# KiCad board insequor58TOPMOUNT.kicad_pcb (continued)
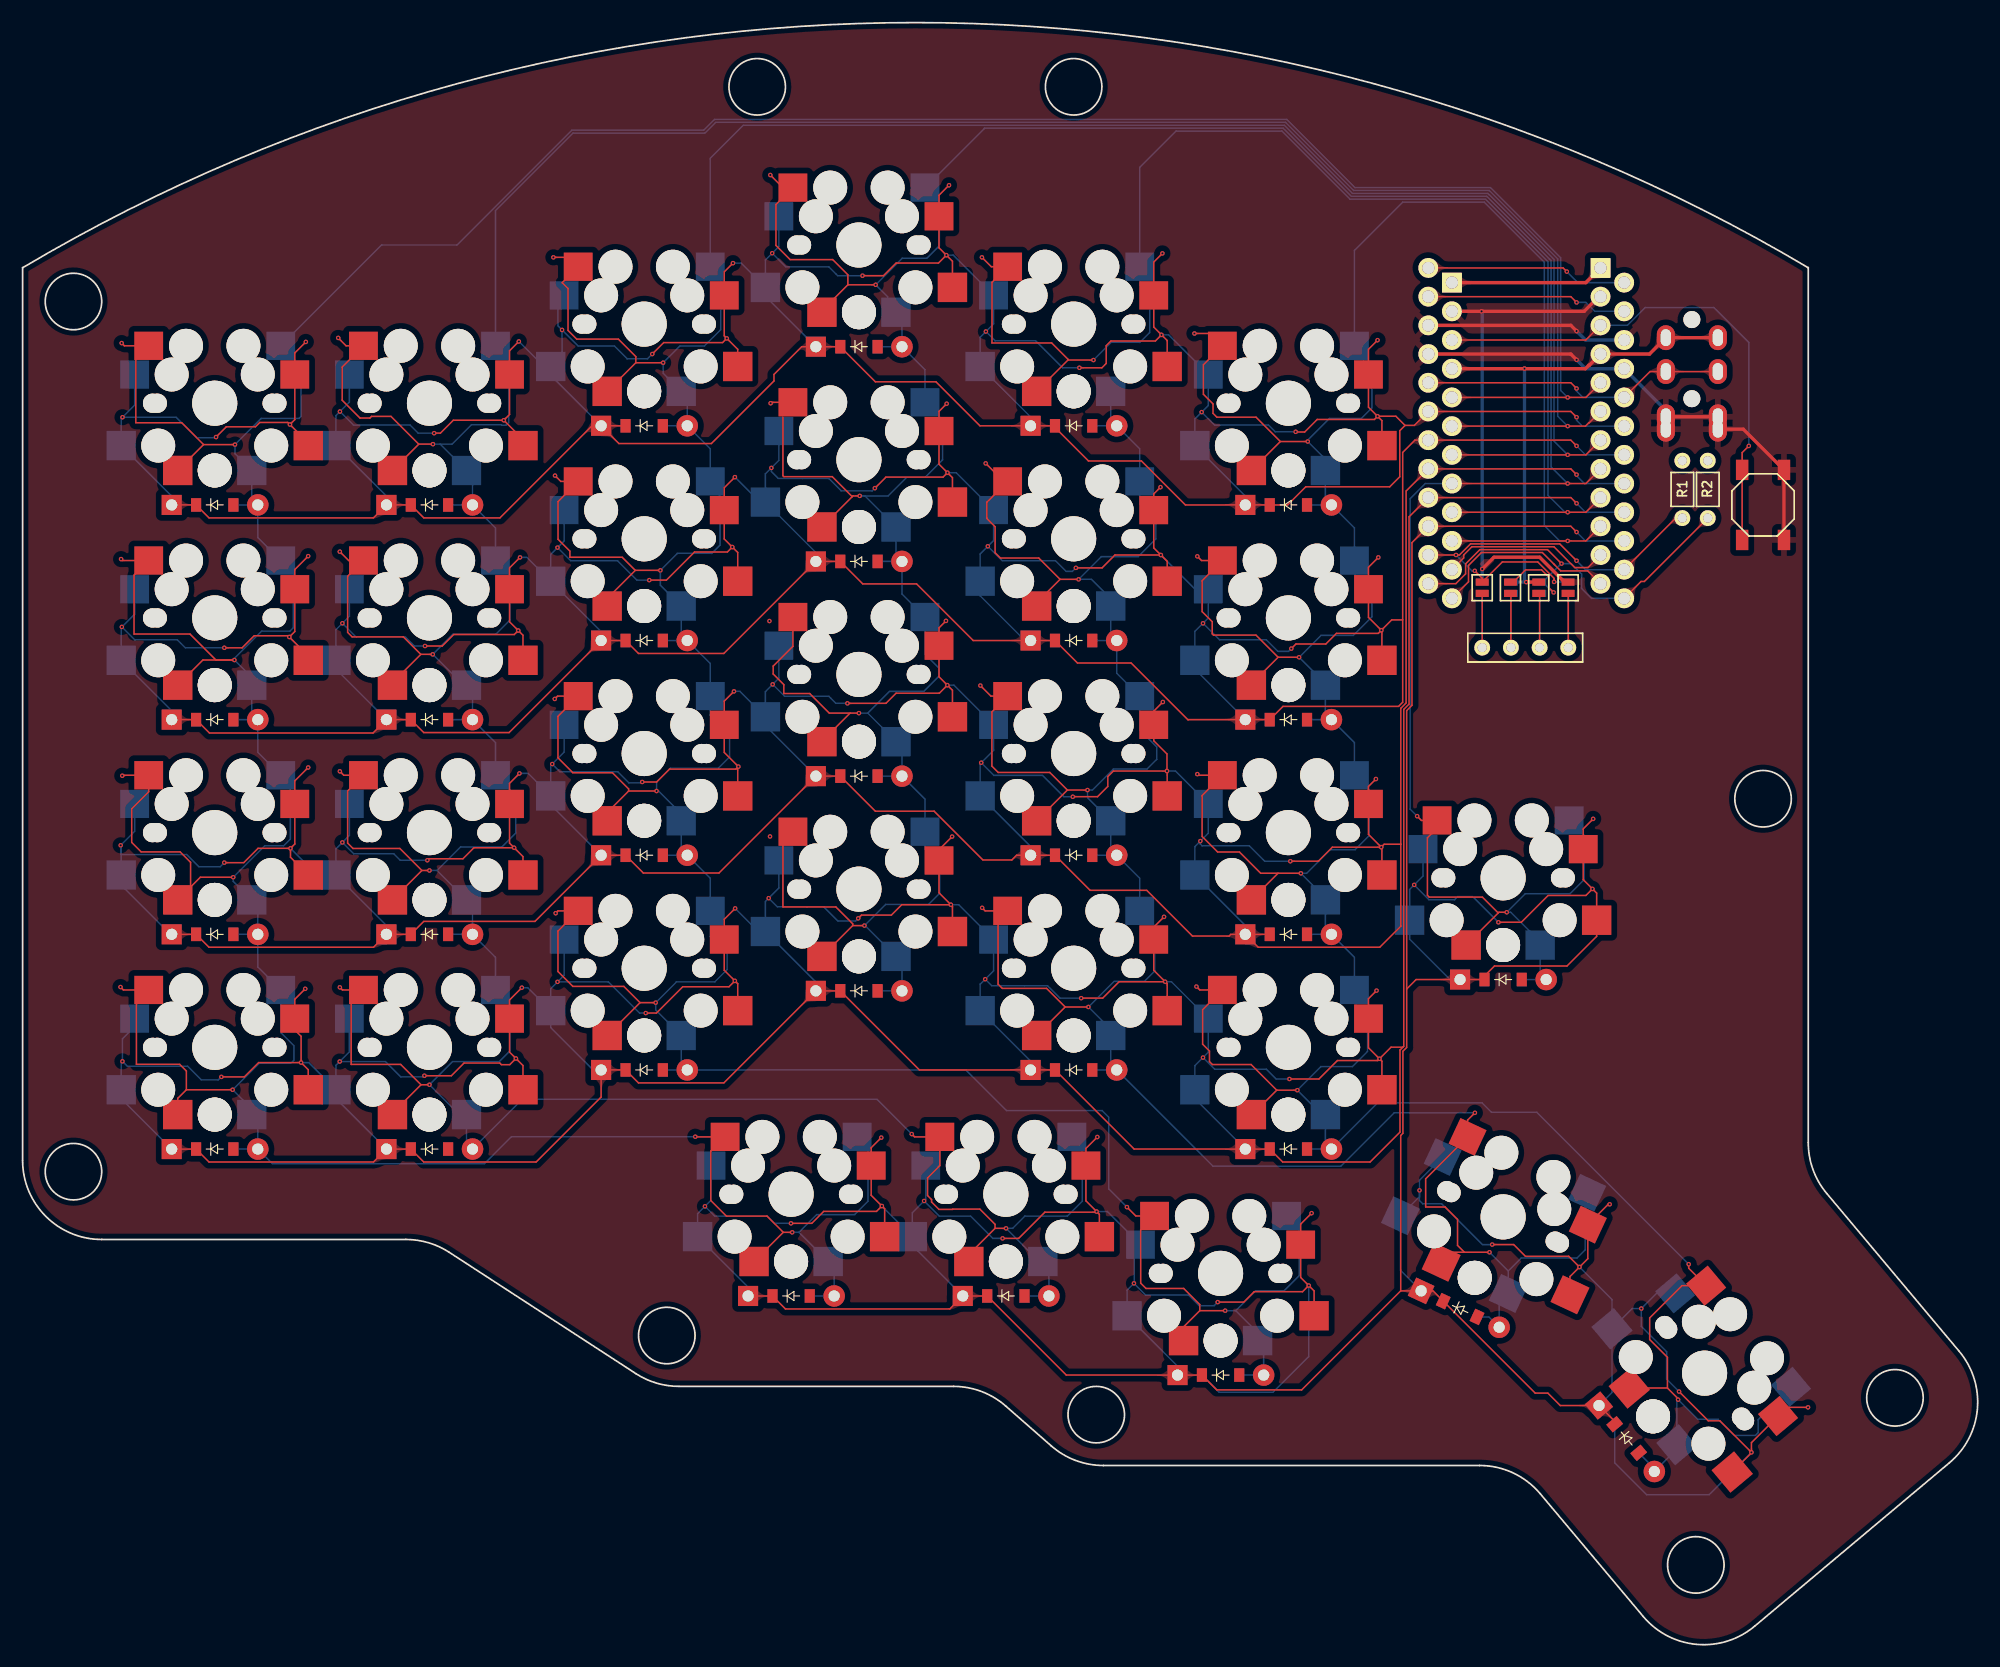
[diagram p0: board, top side]
## Copper pours and planes (outline as drawn; the poured copper is in the pictures) (continued)
P7 on Top: 140.78,19.93 140.64,20.09 140.54,20.24 140.48,20.37 140.45,20.51 140.43,20.64 140.42,20.78 140.42,20.92 140.4,21.07 140.38,21.24 140.32,21.43 139.17,21.45 139.19,20.3 139.38,20.24 139.55,20.21 139.7,20.2 139.84,20.2 139.98,20.19 140.11,20.17 140.24,20.14 140.38,20.08 140.53,19.98 140.69,19.84
P7 on Bottom: 139.96,97.58 140.17,97.57 140.34,97.53 140.48,97.48 140.6,97.41 140.7,97.33 140.8,97.24 140.91,97.14 141.02,97.05 141.16,96.95 141.33,96.85 142.15,97.64 141.33,98.43 141.16,98.34 141.02,98.24 140.91,98.14 140.8,98.05 140.7,97.96 140.6,97.88 140.48,97.81 140.34,97.76 140.17,97.72 139.96,97.71
P7 on Bottom: 101.42,25.3 101.52,25.18 101.59,25.06 101.62,24.96 101.62,24.85 101.6,24.74 101.57,24.63 101.52,24.52 101.47,24.4 101.41,24.27 101.35,24.13 102.24,23.39 102.82,24.46 102.67,24.59 102.54,24.7 102.42,24.78 102.3,24.84 102.19,24.9 102.07,24.96 101.95,25.03 101.81,25.12 101.67,25.24 101.51,25.39
P7 on Bottom: 81.89,32.04 82.03,31.88 82.13,31.73 82.19,31.59 82.23,31.46 82.24,31.33 82.25,31.19 82.26,31.05 82.27,30.9 82.3,30.73 82.35,30.54 83.5,30.52 83.48,31.67 83.29,31.73 83.13,31.75 82.97,31.77 82.83,31.77 82.69,31.78 82.56,31.79 82.43,31.83 82.29,31.89 82.14,31.99 81.99,32.13
P7 on Bottom: 63.42,32.3 63.52,32.18 63.59,32.06 63.62,31.96 63.62,31.85 63.6,31.74 63.57,31.63 63.52,31.52 63.47,31.4 63.41,31.27 63.35,31.13 64.24,30.39 64.82,31.46 64.67,31.59 64.54,31.7 64.42,31.78 64.3,31.84 64.19,31.9 64.07,31.96 63.95,32.03 63.81,32.12 63.67,32.24 63.51,32.39
P7 on Bottom: 125.63,59.41 125.77,59.26 125.88,59.13 125.98,59.01 126.05,58.89 126.18,58.68 126.25,58.58 126.33,58.46 126.43,58.34 126.56,58.2 127.63,58.83 126.8,59.63 126.68,59.57 126.45,59.44 126.34,59.38 126.24,59.34 126.14,59.32 126.04,59.32 125.94,59.35 125.83,59.41 125.72,59.51
P7 on Bottom: 140.57,22.44 140.55,22.25 140.48,22.13 140.39,22.06 140.26,22.02 140.11,22.01 139.94,22.02 139.76,22.03 139.57,22.04 139.38,22.02 139.19,21.98 139.17,20.82 140.37,21.14 140.38,21.3 140.41,21.44 140.44,21.55 140.49,21.66 140.54,21.76 140.58,21.86 140.63,21.97 140.66,22.1 140.69,22.25 140.7,22.44
P7 on Bottom: 122.45,32.49 122.59,32.33 122.68,32.19 122.75,32.05 122.78,31.91 122.8,31.78 122.8,31.65 122.81,31.5 122.82,31.35 122.85,31.18 122.9,30.99 124.06,30.97 124.04,32.12 123.85,32.18 123.68,32.21 123.53,32.22 123.38,32.23 123.25,32.23 123.11,32.25 122.98,32.28 122.84,32.34 122.7,32.44 122.54,32.58
P8 on Top: 145.72,99.02 145.81,99.1 145.9,99.16 145.99,99.18 146.07,99.19 146.16,99.18 146.25,99.15 146.34,99.12 146.43,99.08 146.54,99.04 146.65,99 147.2,99.72 146.36,100.16 146.26,100.04 146.18,99.94 146.11,99.84 146.06,99.75 145.97,99.56 145.91,99.46 145.84,99.36 145.75,99.24 145.63,99.11
P8 on Top: 142.9,96.38 142.74,96.25 142.6,96.15 142.46,96.09 142.33,96.05 142.2,96.04 142.07,96.03 141.92,96.03 141.77,96.01 141.61,95.98 141.42,95.93 141.4,94.79 142.54,94.82 142.59,95 142.62,95.17 142.63,95.32 142.64,95.46 142.64,95.59 142.66,95.72 142.69,95.86 142.76,95.99 142.85,96.14 142.99,96.29
P8 on Top: 126.13,96.47 125.92,96.48 125.75,96.51 125.61,96.57 125.49,96.64 125.39,96.72 125.29,96.81 125.18,96.9 125.07,97 124.93,97.1 124.76,97.19 123.94,96.4 124.76,95.61 124.93,95.71 125.07,95.8 125.18,95.9 125.29,96 125.39,96.09 125.49,96.17 125.61,96.24 125.75,96.29 125.92,96.32 126.13,96.34
P8 on Bottom: 139.96,95.04 140.17,95.03 140.34,94.99 140.48,94.94 140.6,94.87 140.7,94.79 140.8,94.7 140.91,94.6 141.02,94.51 141.16,94.41 141.33,94.31 142.15,95.1 141.33,95.89 141.16,95.8 141.02,95.7 140.91,95.6 140.8,95.51 140.7,95.42 140.6,95.34 140.48,95.27 140.34,95.22 140.17,95.18 139.96,95.17
P9 on Top: 142.9,93.84 142.74,93.71 142.6,93.61 142.46,93.55 142.33,93.51 142.2,93.5 142.07,93.49 141.92,93.49 141.77,93.47 141.61,93.44 141.42,93.39 141.4,92.25 142.54,92.28 142.59,92.46 142.62,92.63 142.63,92.78 142.64,92.92 142.64,93.05 142.66,93.18 142.69,93.32 142.76,93.45 142.85,93.6 142.99,93.75
P9 on Top: 148.17,98.64 148.3,98.75 148.41,98.83 148.52,98.87 148.62,98.9 148.72,98.92 148.83,98.92 148.94,98.93 149.06,98.94 149.19,98.96 149.34,99.01 149.35,99.91 148.45,99.9 148.41,99.75 148.38,99.62 148.37,99.5 148.37,99.39 148.36,99.28 148.34,99.18 148.32,99.08 148.27,98.97 148.19,98.85 148.08,98.73
P9 on Top: 126.13,93.93 125.92,93.94 125.75,93.97 125.61,94.03 125.49,94.1 125.39,94.18 125.29,94.27 125.18,94.36 125.07,94.46 124.93,94.56 124.76,94.65 123.94,93.86 124.76,93.07 124.93,93.17 125.07,93.26 125.18,93.36 125.29,93.46 125.39,93.55 125.49,93.63 125.61,93.7 125.75,93.75 125.92,93.78 126.13,93.8
P9 on Bottom: 139.96,92.5 140.17,92.49 140.34,92.45 140.48,92.4 140.6,92.33 140.7,92.25 140.8,92.16 140.91,92.06 141.02,91.97 141.16,91.87 141.33,91.77 142.15,92.56 141.33,93.35 141.16,93.26 141.02,93.16 140.91,93.06 140.8,92.97 140.7,92.88 140.6,92.8 140.48,92.73 140.34,92.68 140.17,92.64 139.96,92.63
P10 on Top: 127.66,93.84 127.5,93.71 127.36,93.61 127.22,93.55 127.09,93.51 126.96,93.5 126.83,93.49 126.68,93.49 126.53,93.47 126.37,93.44 126.18,93.39 126.16,92.25 127.3,92.28 127.35,92.46 127.38,92.63 127.39,92.78 127.4,92.92 127.4,93.05 127.42,93.18 127.45,93.32 127.52,93.45 127.61,93.6 127.75,93.75
P10 on Top: 138.33,94.93 138.52,94.91 138.64,94.85 138.71,94.75 138.74,94.63 138.75,94.48 138.75,94.31 138.74,94.13 138.73,93.95 138.75,93.76 138.79,93.57 139.93,93.55 139.62,94.74 139.46,94.75 139.32,94.77 139.21,94.81 139.1,94.85 139,94.9 138.9,94.95 138.79,94.99 138.67,95.03 138.52,95.05 138.33,95.06
P14 on Top: 128.22,97.71 128.01,97.72 127.84,97.76 127.7,97.81 127.58,97.88 127.48,97.96 127.38,98.05 127.27,98.14 127.16,98.24 127.02,98.34 126.85,98.43 126.03,97.64 126.85,96.85 127.02,96.95 127.16,97.05 127.27,97.14 127.38,97.24 127.48,97.33 127.58,97.41 127.7,97.48 127.84,97.53 128.01,97.57 128.22,97.58
P14 on Top: 138.43,97.66 138.59,97.8 138.73,97.9 138.87,97.96 139,97.99 139.13,98.01 139.26,98.01 139.4,98.02 139.56,98.03 139.72,98.06 139.91,98.11 139.93,99.25 138.79,99.23 138.74,99.04 138.71,98.88 138.7,98.73 138.69,98.59 138.69,98.45 138.67,98.32 138.64,98.19 138.57,98.05 138.48,97.91 138.34,97.75
P14 on Bottom: 115.21,45.58 115.2,45.34 115.17,45.13 115.13,44.96 115.09,44.81 115.03,44.67 114.98,44.53 114.93,44.39 114.89,44.23 114.87,44.05 114.86,43.83 116.08,43.44 116.29,44.65 116.14,44.74 115.99,44.8 115.86,44.86 115.73,44.92 115.62,44.98 115.53,45.05 115.45,45.14 115.39,45.26 115.35,45.4 115.34,45.58
P14 on Bottom: 115.21,64.58 115.2,64.34 115.17,64.13 115.13,63.96 115.09,63.81 115.03,63.67 114.98,63.53 114.93,63.39 114.89,63.23 114.87,63.05 114.86,62.83 116.08,62.44 116.29,63.65 116.14,63.74 115.99,63.8 115.86,63.86 115.73,63.92 115.62,63.98 115.53,64.05 115.45,64.14 115.39,64.26 115.35,64.4 115.34,64.58
P14 on Bottom: 117.2,99.53 117.05,99.7 116.95,99.86 116.88,100.01 116.84,100.15 116.82,100.3 116.82,100.44 116.81,100.6 116.8,100.76 116.77,100.94 116.71,101.14 115.47,101.17 115.5,99.93 115.7,99.87 115.88,99.84 116.05,99.83 116.2,99.82 116.35,99.82 116.49,99.8 116.63,99.76 116.78,99.7 116.94,99.59 117.11,99.44
P14 on Bottom: 143.13,16.72 143.27,16.56 143.37,16.41 143.43,16.27 143.45,16.14 143.46,16 143.45,15.86 143.43,15.71 143.42,15.55 143.42,15.37 143.44,15.17 144.64,14.9 144.86,16.12 144.67,16.22 144.49,16.29 144.33,16.33 144.17,16.36 144.02,16.38 143.88,16.41 143.73,16.46 143.57,16.54 143.4,16.65 143.22,16.81
P14 on Bottom: 145.68,16.69 145.51,16.54 145.35,16.43 145.2,16.37 145.06,16.33 144.92,16.31 144.77,16.31 144.62,16.3 144.45,16.29 144.27,16.26 144.07,16.2 144.04,14.96 145.28,14.99 145.34,15.19 145.37,15.37 145.38,15.54 145.39,15.69 145.39,15.84 145.41,15.98 145.45,16.12 145.52,16.27 145.62,16.43 145.77,16.6
P14 on Bottom: 113.91,43.77 114.14,43.75 114.32,43.72 114.47,43.66 114.6,43.58 114.71,43.49 114.82,43.4 114.93,43.29 115.06,43.18 115.21,43.08 115.39,42.97 116.29,43.83 115.39,44.69 115.21,44.59 115.06,44.48 114.93,44.37 114.82,44.27 114.71,44.17 114.6,44.08 114.47,44.01 114.32,43.95 114.14,43.91 113.91,43.9
P14 on Bottom: 117.2,80.53 117.05,80.7 116.95,80.86 116.88,81.01 116.84,81.15 116.82,81.3 116.82,81.44 116.81,81.6 116.8,81.76 116.77,81.94 116.71,82.14 115.47,82.17 115.5,80.93 115.7,80.87 115.88,80.84 116.05,80.83 116.2,80.82 116.35,80.82 116.49,80.8 116.63,80.76 116.78,80.7 116.94,80.59 117.11,80.44
P14 on Bottom: 113.91,81.77 114.14,81.75 114.32,81.72 114.47,81.66 114.6,81.58 114.71,81.49 114.82,81.4 114.93,81.29 115.06,81.18 115.21,81.08 115.39,80.97 116.29,81.83 115.39,82.69 115.21,82.59 115.06,82.48 114.93,82.37 114.82,82.27 114.71,82.17 114.6,82.08 114.47,82.01 114.32,81.95 114.14,81.91 113.91,81.9
P14 on Bottom: 115.21,83.58 115.2,83.34 115.17,83.13 115.13,82.96 115.09,82.81 115.03,82.67 114.98,82.53 114.93,82.39 114.89,82.23 114.87,82.05 114.86,81.83 116.08,81.44 116.29,82.65 116.14,82.74 115.99,82.8 115.86,82.86 115.73,82.92 115.62,82.98 115.53,83.05 115.45,83.14 115.39,83.26 115.35,83.4 115.34,83.58
P14 on Bottom: 117.11,45.22 116.94,45.07 116.78,44.97 116.63,44.9 116.49,44.86 116.35,44.85 116.2,44.84 116.05,44.83 115.88,44.82 115.7,44.79 115.5,44.73 115.47,43.49 116.71,43.52 116.77,43.72 116.8,43.9 116.81,44.07 116.82,44.22 116.82,44.37 116.84,44.51 116.88,44.65 116.95,44.8 117.05,44.96 117.2,45.13
P14 on Bottom: 113.91,62.77 114.14,62.75 114.32,62.72 114.47,62.66 114.6,62.58 114.71,62.49 114.82,62.4 114.93,62.29 115.06,62.18 115.21,62.08 115.39,61.97 116.29,62.83 115.39,63.69 115.21,63.59 115.06,63.48 114.93,63.37 114.82,63.27 114.71,63.17 114.6,63.08 114.47,63.01 114.32,62.95 114.14,62.91 113.91,62.9
P14 on Bottom: 113.91,100.77 114.14,100.75 114.32,100.72 114.47,100.66 114.6,100.58 114.71,100.49 114.82,100.4 114.93,100.29 115.06,100.18 115.21,100.08 115.39,99.97 116.29,100.83 115.39,101.69 115.21,101.59 115.06,101.48 114.93,101.37 114.82,101.27 114.71,101.17 114.6,101.08 114.47,101.01 114.32,100.95 114.14,100.91 113.91,100.9
P14 on Bottom: 117.2,61.53 117.05,61.7 116.95,61.86 116.88,62.01 116.84,62.15 116.82,62.3 116.82,62.44 116.81,62.6 116.8,62.76 116.77,62.94 116.71,63.14 115.47,63.17 115.5,61.93 115.7,61.87 115.88,61.84 116.05,61.83 116.2,61.82 116.35,61.82 116.49,61.8 116.63,61.76 116.78,61.7 116.94,61.59 117.11,61.44
P14 on Bottom: 115.21,102.58 115.2,102.34 115.17,102.13 115.13,101.96 115.09,101.81 115.03,101.67 114.98,101.53 114.93,101.39 114.89,101.23 114.87,101.05 114.86,100.83 116.08,100.44 116.29,101.65 116.14,101.74 115.99,101.8 115.86,101.86 115.73,101.92 115.62,101.98 115.53,102.05 115.45,102.14 115.39,102.26 115.35,102.4 115.34,102.58
P15 on Top: 128.22,100.25 128.01,100.26 127.84,100.3 127.7,100.35 127.58,100.42 127.48,100.5 127.38,100.59 127.27,100.68 127.16,100.78 127.02,100.88 126.85,100.97 126.03,100.18 126.85,99.39 127.02,99.49 127.16,99.59 127.27,99.68 127.38,99.78 127.48,99.87 127.58,99.95 127.7,100.02 127.84,100.07 128.01,100.11 128.22,100.12
P15 on Top: 138.43,100.2 138.59,100.34 138.73,100.44 138.87,100.5 139,100.53 139.13,100.55 139.26,100.55 139.4,100.56 139.56,100.57 139.72,100.6 139.91,100.65 139.93,101.79 138.79,101.77 138.74,101.58 138.71,101.42 138.7,101.27 138.69,101.13 138.69,100.99 138.67,100.86 138.64,100.73 138.57,100.59 138.48,100.45 138.34,100.29
P15 on Bottom: 96.21,109.58 96.2,109.34 96.17,109.13 96.13,108.96 96.09,108.81 96.03,108.67 95.98,108.53 95.93,108.39 95.89,108.23 95.87,108.05 95.86,107.83 97.08,107.44 97.29,108.65 97.14,108.74 96.99,108.8 96.86,108.86 96.73,108.92 96.62,108.98 96.53,109.05 96.45,109.14 96.39,109.26 96.35,109.4 96.34,109.58
P15 on Bottom: 129.12,28.91 129.29,28.9 129.42,28.85 129.51,28.77 129.57,28.66 129.61,28.54 129.63,28.4 129.67,28.09 129.7,27.92 129.75,27.75 130.99,27.73 130.65,29.02 130.46,29.02 130.3,29.02 130.16,29.02 129.66,29.04 129.5,29.04 129.33,29.04 129.12,29.04
P15 on Bottom: 94.91,69.77 95.14,69.75 95.32,69.72 95.47,69.66 95.6,69.58 95.71,69.49 95.82,69.4 95.93,69.29 96.06,69.18 96.21,69.08 96.39,68.97 97.29,69.83 96.39,70.69 96.21,70.59 96.06,70.48 95.93,70.37 95.82,70.27 95.71,70.17 95.6,70.08 95.47,70.01 95.32,69.95 95.14,69.91 94.91,69.9
P15 on Bottom: 94.91,88.77 95.14,88.75 95.32,88.72 95.47,88.66 95.6,88.58 95.71,88.49 95.82,88.4 95.93,88.29 96.06,88.18 96.21,88.08 96.39,87.97 97.29,88.83 96.39,89.69 96.21,89.59 96.06,89.48 95.93,89.37 95.82,89.27 95.71,89.17 95.6,89.08 95.47,89.01 95.32,88.95 95.14,88.91 94.91,88.9
P15 on Bottom: 130.58,29.97 130.57,29.74 130.53,29.55 130.48,29.4 130.4,29.27 130.31,29.16 130.21,29.05 130.11,28.94 130,28.81 129.89,28.66 129.79,28.48 130.65,27.59 131.51,28.48 131.4,28.66 131.3,28.81 131.19,28.94 131.09,29.05 130.99,29.16 130.9,29.27 130.82,29.4 130.77,29.55 130.73,29.74 130.71,29.97
P15 on Bottom: 96.21,71.58 96.2,71.34 96.17,71.13 96.13,70.96 96.09,70.81 96.03,70.67 95.98,70.53 95.93,70.39 95.89,70.23 95.87,70.05 95.86,69.83 97.08,69.44 97.29,70.65 97.14,70.74 96.99,70.8 96.86,70.86 96.73,70.92 96.62,70.98 96.53,71.05 96.45,71.14 96.39,71.26 96.35,71.4 96.34,71.58
P15 on Bottom: 96.21,90.58 96.2,90.34 96.17,90.13 96.13,89.96 96.09,89.81 96.03,89.67 95.98,89.53 95.93,89.39 95.89,89.23 95.87,89.05 95.86,88.83 97.08,88.44 97.29,89.65 97.14,89.74 96.99,89.8 96.86,89.86 96.73,89.92 96.62,89.98 96.53,90.05 96.45,90.14 96.39,90.26 96.35,90.4 96.34,90.58
P15 on Bottom: 98.2,68.53 98.05,68.7 97.95,68.86 97.88,69.01 97.84,69.15 97.82,69.3 97.82,69.44 97.81,69.6 97.8,69.76 97.77,69.94 97.71,70.14 96.47,70.17 96.5,68.93 96.7,68.87 96.88,68.84 97.05,68.83 97.2,68.82 97.35,68.82 97.49,68.8 97.63,68.76 97.78,68.7 97.94,68.59 98.11,68.44
P15 on Bottom: 96.88,86.93 96.89,87.16 96.93,87.34 96.98,87.49 97.06,87.62 97.15,87.74 97.25,87.84 97.35,87.96 97.46,88.08 97.57,88.23 97.67,88.42 96.81,89.31 95.95,88.42 96.05,88.23 96.16,88.08 96.27,87.96 96.37,87.84 96.47,87.74 96.56,87.62 96.64,87.49 96.69,87.34 96.73,87.16 96.75,86.93
P15 on Bottom: 98.2,49.53 98.05,49.7 97.95,49.86 97.88,50.01 97.84,50.15 97.82,50.3 97.82,50.44 97.81,50.6 97.8,50.76 97.77,50.94 97.71,51.14 96.47,51.17 96.5,49.93 96.7,49.87 96.88,49.84 97.05,49.83 97.2,49.82 97.35,49.82 97.49,49.8 97.63,49.76 97.78,49.7 97.94,49.59 98.11,49.44
P15 on Bottom: 94.91,107.77 95.14,107.75 95.32,107.72 95.47,107.66 95.6,107.58 95.71,107.49 95.82,107.4 95.93,107.29 96.06,107.18 96.21,107.08 96.39,106.97 97.29,107.83 96.39,108.69 96.21,108.59 96.06,108.48 95.93,108.37 95.82,108.27 95.71,108.17 95.6,108.08 95.47,108.01 95.32,107.95 95.14,107.91 94.91,107.9
P15 on Bottom: 98.2,106.53 98.05,106.7 97.95,106.86 97.88,107.01 97.84,107.15 97.82,107.3 97.82,107.44 97.81,107.6 97.8,107.76 97.77,107.94 97.71,108.14 96.47,108.17 96.5,106.93 96.7,106.87 96.88,106.84 97.05,106.83 97.2,106.82 97.35,106.82 97.49,106.8 97.63,106.76 97.78,106.7 97.94,106.59 98.11,106.44
P15 on Bottom: 94.91,50.77 95.14,50.75 95.32,50.72 95.47,50.66 95.6,50.58 95.71,50.49 95.82,50.4 95.93,50.29 96.06,50.18 96.21,50.08 96.39,49.97 97.29,50.83 96.39,51.69 96.21,51.59 96.06,51.48 95.93,51.37 95.82,51.27 95.71,51.17 95.6,51.08 95.47,51.01 95.32,50.95 95.14,50.91 94.91,50.9
P15 on Bottom: 96.21,52.58 96.2,52.34 96.17,52.13 96.13,51.96 96.09,51.81 96.03,51.67 95.98,51.53 95.93,51.39 95.89,51.23 95.87,51.05 95.86,50.83 97.08,50.44 97.29,51.65 97.14,51.74 96.99,51.8 96.86,51.86 96.73,51.92 96.62,51.98 96.53,52.05 96.45,52.14 96.39,52.26 96.35,52.4 96.34,52.58
P16 on Top: 127.48,96.47 127.34,96.34 127.21,96.24 127.09,96.17 126.98,96.12 126.87,96.09 126.75,96.07 126.63,96.04 126.5,96.02 126.35,95.98 126.18,95.93 126.16,94.79 127.3,94.82 127.35,95.01 127.36,95.18 127.35,95.34 127.33,95.49 127.31,95.64 127.3,95.78 127.31,95.92 127.35,96.06 127.44,96.21 127.57,96.38
P16 on Top: 138.32,95.22 138.51,95.23 138.66,95.25 138.79,95.29 138.9,95.33 139.1,95.42 139.2,95.46 139.32,95.49 139.46,95.52 139.62,95.53 139.93,96.71 138.79,96.69 138.75,96.51 138.73,96.32 138.73,96.14 138.74,95.96 138.75,95.8 138.74,95.65 138.7,95.53 138.63,95.43 138.5,95.37 138.32,95.35
P18 on Top: 138.43,102.74 138.59,102.88 138.73,102.98 138.87,103.04 139,103.07 139.13,103.09 139.26,103.09 139.4,103.1 139.56,103.11 139.72,103.14 139.91,103.19 139.93,104.33 138.79,104.31 138.74,104.12 138.71,103.96 138.7,103.81 138.69,103.67 138.69,103.53 138.67,103.4 138.64,103.27 138.57,103.13 138.48,102.99 138.34,102.83
P18 on Top: 128.22,102.79 128.01,102.8 127.84,102.84 127.7,102.89 127.58,102.96 127.48,103.04 127.38,103.13 127.27,103.22 127.16,103.32 127.02,103.42 126.85,103.51 126.03,102.72 126.85,101.93 127.02,102.03 127.16,102.13 127.27,102.22 127.38,102.32 127.48,102.41 127.58,102.49 127.7,102.56 127.84,102.61 128.01,102.65 128.22,102.66
P18 on Bottom: 77.21,97.58 77.2,97.34 77.17,97.13 77.13,96.96 77.09,96.81 77.03,96.67 76.98,96.53 76.93,96.39 76.89,96.23 76.87,96.05 76.86,95.83 78.08,95.44 78.29,96.65 78.14,96.74 77.99,96.8 77.86,96.86 77.73,96.92 77.62,96.98 77.53,97.05 77.45,97.14 77.39,97.26 77.35,97.4 77.34,97.58
P18 on Bottom: 75.91,95.77 76.14,95.75 76.32,95.72 76.47,95.66 76.6,95.58 76.71,95.49 76.82,95.4 76.93,95.29 77.06,95.18 77.21,95.08 77.39,94.97 78.29,95.83 77.39,96.69 77.21,96.59 77.06,96.48 76.93,96.37 76.82,96.27 76.71,96.17 76.6,96.08 76.47,96.01 76.32,95.95 76.14,95.91 75.91,95.9
P18 on Bottom: 75.91,57.77 76.14,57.75 76.32,57.72 76.47,57.66 76.6,57.58 76.71,57.49 76.82,57.4 76.93,57.29 77.06,57.18 77.21,57.08 77.39,56.97 78.29,57.83 77.39,58.69 77.21,58.59 77.06,58.48 76.93,58.37 76.82,58.27 76.71,58.17 76.6,58.08 76.47,58.01 76.32,57.95 76.14,57.91 75.91,57.9
P18 on Bottom: 75.91,114.77 76.14,114.75 76.32,114.72 76.47,114.66 76.6,114.58 76.71,114.49 76.82,114.4 76.93,114.29 77.06,114.18 77.21,114.08 77.39,113.97 78.29,114.83 77.39,115.69 77.21,115.59 77.06,115.48 76.93,115.37 76.82,115.27 76.71,115.17 76.6,115.08 76.47,115.01 76.32,114.95 76.14,114.91 75.91,114.9
P18 on Bottom: 77.75,59.73 77.73,59.51 77.69,59.32 77.64,59.17 77.56,59.04 77.47,58.93 77.37,58.82 77.27,58.71 77.16,58.58 77.05,58.43 76.95,58.25 77.81,57.36 78.67,58.25 78.57,58.43 78.46,58.58 78.35,58.71 78.25,58.82 78.15,58.93 78.06,59.04 77.98,59.17 77.93,59.32 77.89,59.51 77.88,59.73
P18 on Bottom: 79.2,75.53 79.05,75.7 78.95,75.86 78.88,76.01 78.84,76.15 78.82,76.3 78.82,76.44 78.81,76.6 78.8,76.76 78.77,76.94 78.71,77.14 77.47,77.17 77.5,75.93 77.7,75.87 77.88,75.84 78.05,75.83 78.2,75.82 78.35,75.82 78.49,75.8 78.63,75.76 78.78,75.7 78.94,75.59 79.11,75.44
P18 on Bottom: 77.88,93.93 77.89,94.16 77.93,94.34 77.98,94.49 78.06,94.62 78.15,94.74 78.25,94.84 78.35,94.96 78.46,95.08 78.57,95.23 78.67,95.42 77.81,96.31 76.95,95.42 77.05,95.23 77.16,95.08 77.27,94.96 77.37,94.84 77.47,94.74 77.56,94.62 77.64,94.49 77.69,94.34 77.73,94.16 77.75,93.93
P18 on Bottom: 134.21,60.58 134.2,60.34 134.17,60.13 134.13,59.96 134.09,59.81 134.03,59.67 133.98,59.53 133.93,59.39 133.89,59.23 133.87,59.05 133.86,58.83 135.08,58.44 135.29,59.65 135.14,59.74 134.99,59.8 134.86,59.86 134.73,59.92 134.62,59.98 134.53,60.05 134.45,60.14 134.39,60.26 134.35,60.4 134.34,60.58
P18 on Bottom: 79.2,113.53 79.05,113.7 78.95,113.86 78.88,114.01 78.84,114.15 78.82,114.3 78.82,114.44 78.81,114.6 78.8,114.76 78.77,114.94 78.71,115.14 77.47,115.17 77.5,113.93 77.7,113.87 77.88,113.84 78.05,113.83 78.2,113.82 78.35,113.82 78.49,113.8 78.63,113.76 78.78,113.7 78.94,113.59 79.11,113.44
P18 on Bottom: 77.75,78.73 77.73,78.51 77.69,78.32 77.64,78.17 77.56,78.04 77.47,77.93 77.37,77.82 77.27,77.71 77.16,77.58 77.05,77.43 76.95,77.25 77.81,76.36 78.67,77.25 78.57,77.43 78.46,77.58 78.35,77.71 78.25,77.82 78.15,77.93 78.06,78.04 77.98,78.17 77.93,78.32 77.89,78.51 77.88,78.73
P18 on Bottom: 75.91,76.77 76.14,76.75 76.32,76.72 76.47,76.66 76.6,76.58 76.71,76.49 76.82,76.4 76.93,76.29 77.06,76.18 77.21,76.08 77.39,75.97 78.29,76.83 77.39,77.69 77.21,77.59 77.06,77.48 76.93,77.37 76.82,77.27 76.71,77.17 76.6,77.08 76.47,77.01 76.32,76.95 76.14,76.91 75.91,76.9
P18 on Bottom: 132.91,58.77 133.14,58.75 133.32,58.72 133.47,58.66 133.6,58.58 133.71,58.49 133.82,58.4 133.93,58.29 134.06,58.18 134.21,58.08 134.39,57.97 135.29,58.83 134.39,59.69 134.21,59.59 134.06,59.48 133.93,59.37 133.82,59.27 133.71,59.17 133.6,59.08 133.47,59.01 133.32,58.95 133.14,58.91 132.91,58.9
P18 on Bottom: 124.72,102.66 124.93,102.65 125.1,102.61 125.24,102.56 125.36,102.49 125.46,102.41 125.56,102.32 125.67,102.22 125.78,102.13 125.92,102.03 126.09,101.93 126.91,102.72 126.09,103.51 125.92,103.42 125.78,103.32 125.67,103.22 125.56,103.13 125.46,103.04 125.36,102.96 125.24,102.89 125.1,102.84 124.93,102.8 124.72,102.79
P18 on Bottom: 77.75,116.73 77.73,116.51 77.69,116.32 77.64,116.17 77.56,116.04 77.47,115.93 77.37,115.82 77.27,115.71 77.16,115.58 77.05,115.43 76.95,115.25 77.81,114.36 78.67,115.25 78.57,115.43 78.46,115.58 78.35,115.71 78.25,115.82 78.15,115.93 78.06,116.04 77.98,116.17 77.93,116.32 77.89,116.51 77.88,116.73
P19 on Top: 138.43,105.28 138.59,105.42 138.73,105.52 138.87,105.58 139,105.61 139.13,105.63 139.26,105.63 139.4,105.64 139.56,105.65 139.72,105.68 139.91,105.73 139.93,106.87 138.79,106.85 138.74,106.66 138.71,106.5 138.7,106.35 138.69,106.21 138.69,106.07 138.67,105.94 138.64,105.81 138.57,105.67 138.48,105.53 138.34,105.37
P19 on Top: 128.22,105.33 128.01,105.34 127.84,105.38 127.7,105.43 127.58,105.5 127.48,105.58 127.38,105.67 127.27,105.76 127.16,105.86 127.02,105.96 126.85,106.05 126.03,105.26 126.85,104.47 127.02,104.57 127.16,104.67 127.27,104.76 127.38,104.86 127.48,104.95 127.58,105.03 127.7,105.1 127.84,105.15 128.01,105.19 128.22,105.2
P19 on Bottom: 56.91,107.77 57.14,107.75 57.32,107.72 57.47,107.66 57.6,107.58 57.71,107.49 57.82,107.4 57.93,107.29 58.06,107.18 58.21,107.08 58.39,106.97 59.29,107.83 58.39,108.69 58.21,108.59 58.06,108.48 57.93,108.37 57.82,108.27 57.71,108.17 57.6,108.08 57.47,108.01 57.32,107.95 57.14,107.91 56.91,107.9
P19 on Bottom: 109.75,25.73 109.73,25.51 109.69,25.32 109.64,25.17 109.56,25.04 109.47,24.93 109.37,24.82 109.27,24.71 109.16,24.58 109.05,24.43 108.95,24.25 109.81,23.36 110.67,24.25 110.57,24.43 110.46,24.58 110.35,24.71 110.25,24.82 110.15,24.93 110.06,25.04 109.98,25.17 109.93,25.32 109.89,25.51 109.88,25.73
P19 on Bottom: 60.2,87.53 60.05,87.7 59.95,87.86 59.88,88.01 59.84,88.15 59.82,88.3 59.82,88.44 59.81,88.6 59.8,88.76 59.77,88.94 59.71,89.14 58.47,89.17 58.5,87.93 58.7,87.87 58.88,87.84 59.05,87.83 59.2,87.82 59.35,87.82 59.49,87.8 59.63,87.76 59.78,87.7 59.94,87.59 60.11,87.44
P19 on Bottom: 58.21,52.58 58.2,52.34 58.17,52.13 58.13,51.96 58.09,51.81 58.03,51.67 57.98,51.53 57.93,51.39 57.89,51.23 57.87,51.05 57.86,50.83 59.08,50.44 59.29,51.65 59.14,51.74 58.99,51.8 58.86,51.86 58.73,51.92 58.62,51.98 58.53,52.05 58.45,52.14 58.39,52.26 58.35,52.4 58.34,52.58
P19 on Bottom: 60.71,50.9 60.48,50.91 60.3,50.95 60.15,51.01 60.02,51.08 59.91,51.17 59.8,51.27 59.69,51.37 59.56,51.48 59.41,51.59 59.23,51.69 58.33,50.83 59.23,49.97 59.41,50.08 59.56,50.18 59.69,50.29 59.8,50.4 59.91,50.49 60.02,50.58 60.15,50.66 60.3,50.72 60.48,50.75 60.71,50.77
P19 on Bottom: 58.21,71.58 58.2,71.34 58.17,71.13 58.13,70.96 58.09,70.81 58.03,70.67 57.98,70.53 57.93,70.39 57.89,70.23 57.87,70.05 57.86,69.83 59.08,69.44 59.29,70.65 59.14,70.74 58.99,70.8 58.86,70.86 58.73,70.92 58.62,70.98 58.53,71.05 58.45,71.14 58.39,71.26 58.35,71.4 58.34,71.58
P19 on Bottom: 60.2,68.53 60.05,68.7 59.95,68.86 59.88,69.01 59.84,69.15 59.82,69.3 59.82,69.44 59.81,69.6 59.8,69.76 59.77,69.94 59.71,70.14 58.47,70.17 58.5,68.93 58.7,68.87 58.88,68.84 59.05,68.83 59.2,68.82 59.35,68.82 59.49,68.8 59.63,68.76 59.78,68.7 59.94,68.59 60.11,68.44
P19 on Bottom: 58.75,109.73 58.73,109.51 58.69,109.32 58.64,109.17 58.56,109.04 58.47,108.93 58.37,108.82 58.27,108.71 58.16,108.58 58.05,108.43 57.95,108.25 58.81,107.36 59.67,108.25 59.57,108.43 59.46,108.58 59.35,108.71 59.25,108.82 59.15,108.93 59.06,109.04 58.98,109.17 58.93,109.32 58.89,109.51 58.88,109.73
P19 on Bottom: 56.91,50.77 57.14,50.75 57.32,50.72 57.47,50.66 57.6,50.58 57.71,50.49 57.82,50.4 57.93,50.29 58.06,50.18 58.21,50.08 58.39,49.97 59.29,50.83 58.39,51.69 58.21,51.59 58.06,51.48 57.93,51.37 57.82,51.27 57.71,51.17 57.6,51.08 57.47,51.01 57.32,50.95 57.14,50.91 56.91,50.9
P19 on Bottom: 107.91,23.77 108.14,23.75 108.32,23.72 108.47,23.66 108.6,23.58 108.71,23.49 108.82,23.4 108.93,23.29 109.06,23.18 109.21,23.08 109.39,22.97 110.29,23.83 109.39,24.69 109.21,24.59 109.06,24.48 108.93,24.37 108.82,24.27 108.71,24.17 108.6,24.08 108.47,24.01 108.32,23.95 108.14,23.91 107.91,23.9
P19 on Bottom: 58.21,90.58 58.2,90.34 58.17,90.13 58.13,89.96 58.09,89.81 58.03,89.67 57.98,89.53 57.93,89.39 57.89,89.23 57.87,89.05 57.86,88.83 59.08,88.44 59.29,89.65 59.14,89.74 58.99,89.8 58.86,89.86 58.73,89.92 58.62,89.98 58.53,90.05 58.45,90.14 58.39,90.26 58.35,90.4 58.34,90.58
P19 on Bottom: 60.2,106.53 60.05,106.7 59.95,106.86 59.88,107.01 59.84,107.15 59.82,107.3 59.82,107.44 59.81,107.6 59.8,107.76 59.77,107.94 59.71,108.14 58.47,108.17 58.5,106.93 58.7,106.87 58.88,106.84 59.05,106.83 59.2,106.82 59.35,106.82 59.49,106.8 59.63,106.76 59.78,106.7 59.94,106.59 60.11,106.44
